# Altium PCB TMS320F28379D_Interfaz.PcbDoc (part 1 of 2)
Units mil, origin at the board's own origin, x right, y up, seen from the top; angles counter-clockwise.
Board outline 8060.03 x 5960.03 mil, 2 copper layers (Top Layer, Bottom Layer); 359 components, 256 nets, 1304 pads, 0 vias.
Unrouted connection lines stored in the file: 888.
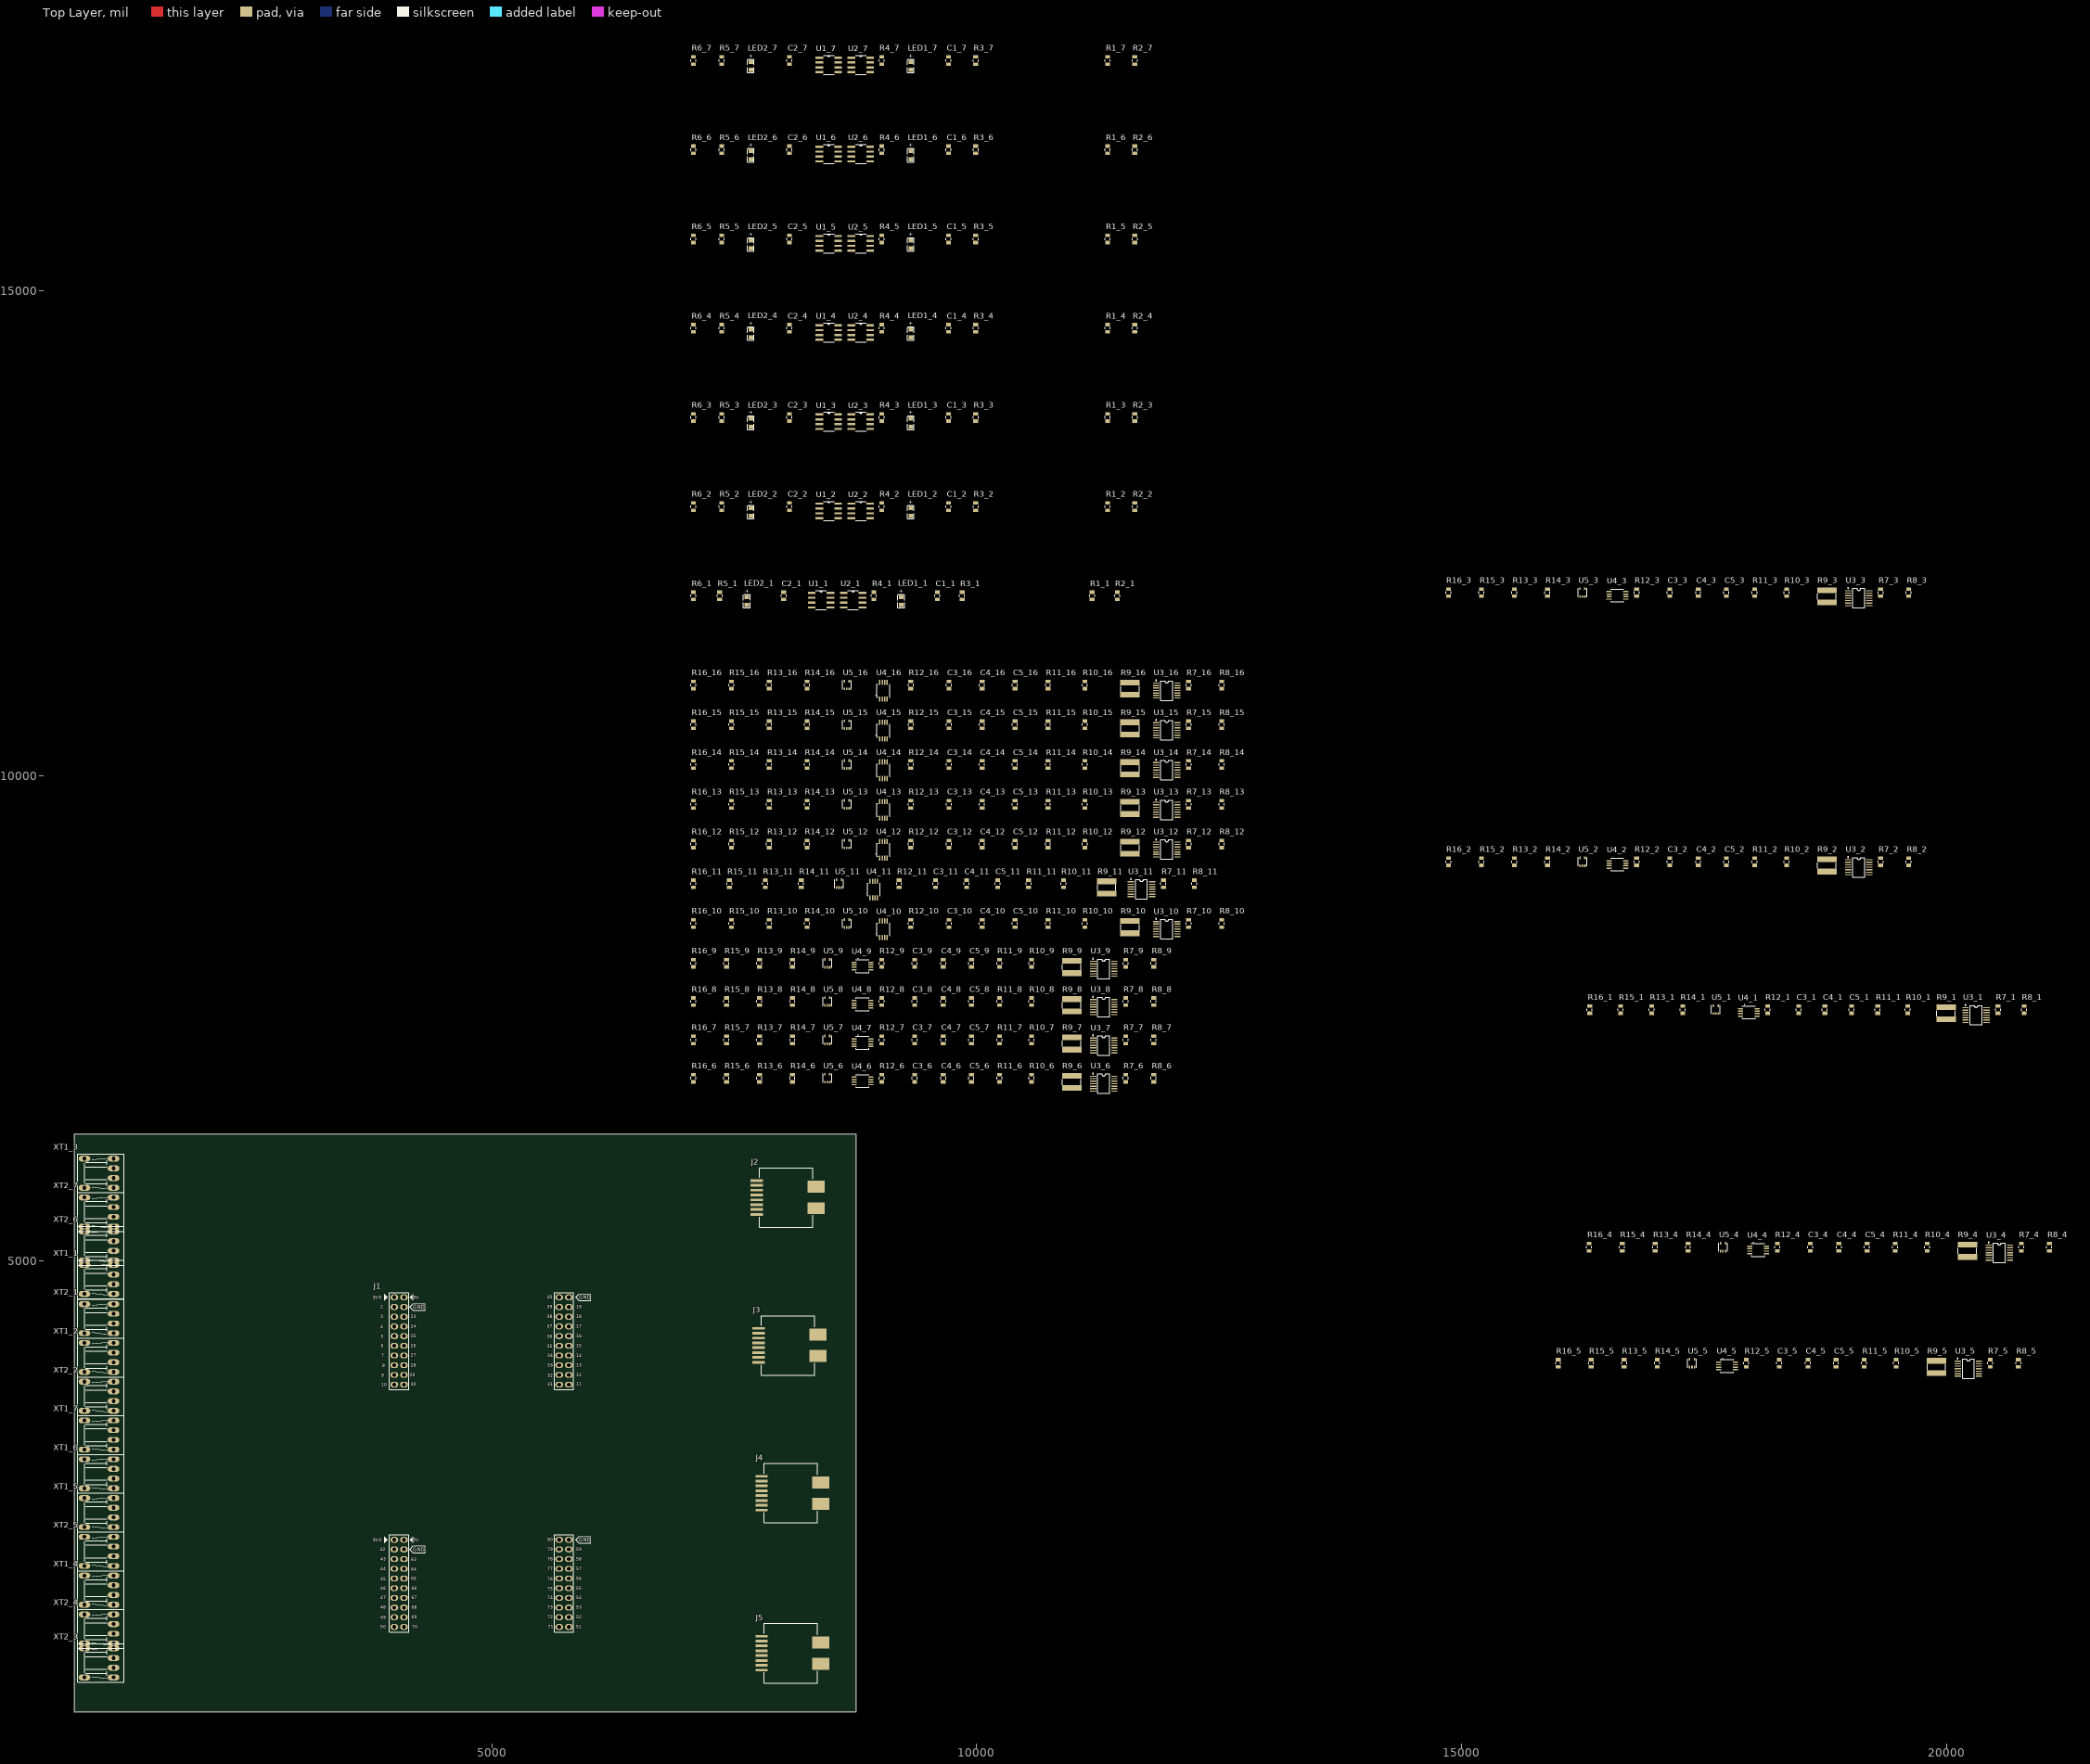
[diagram p0: Top Layer view]
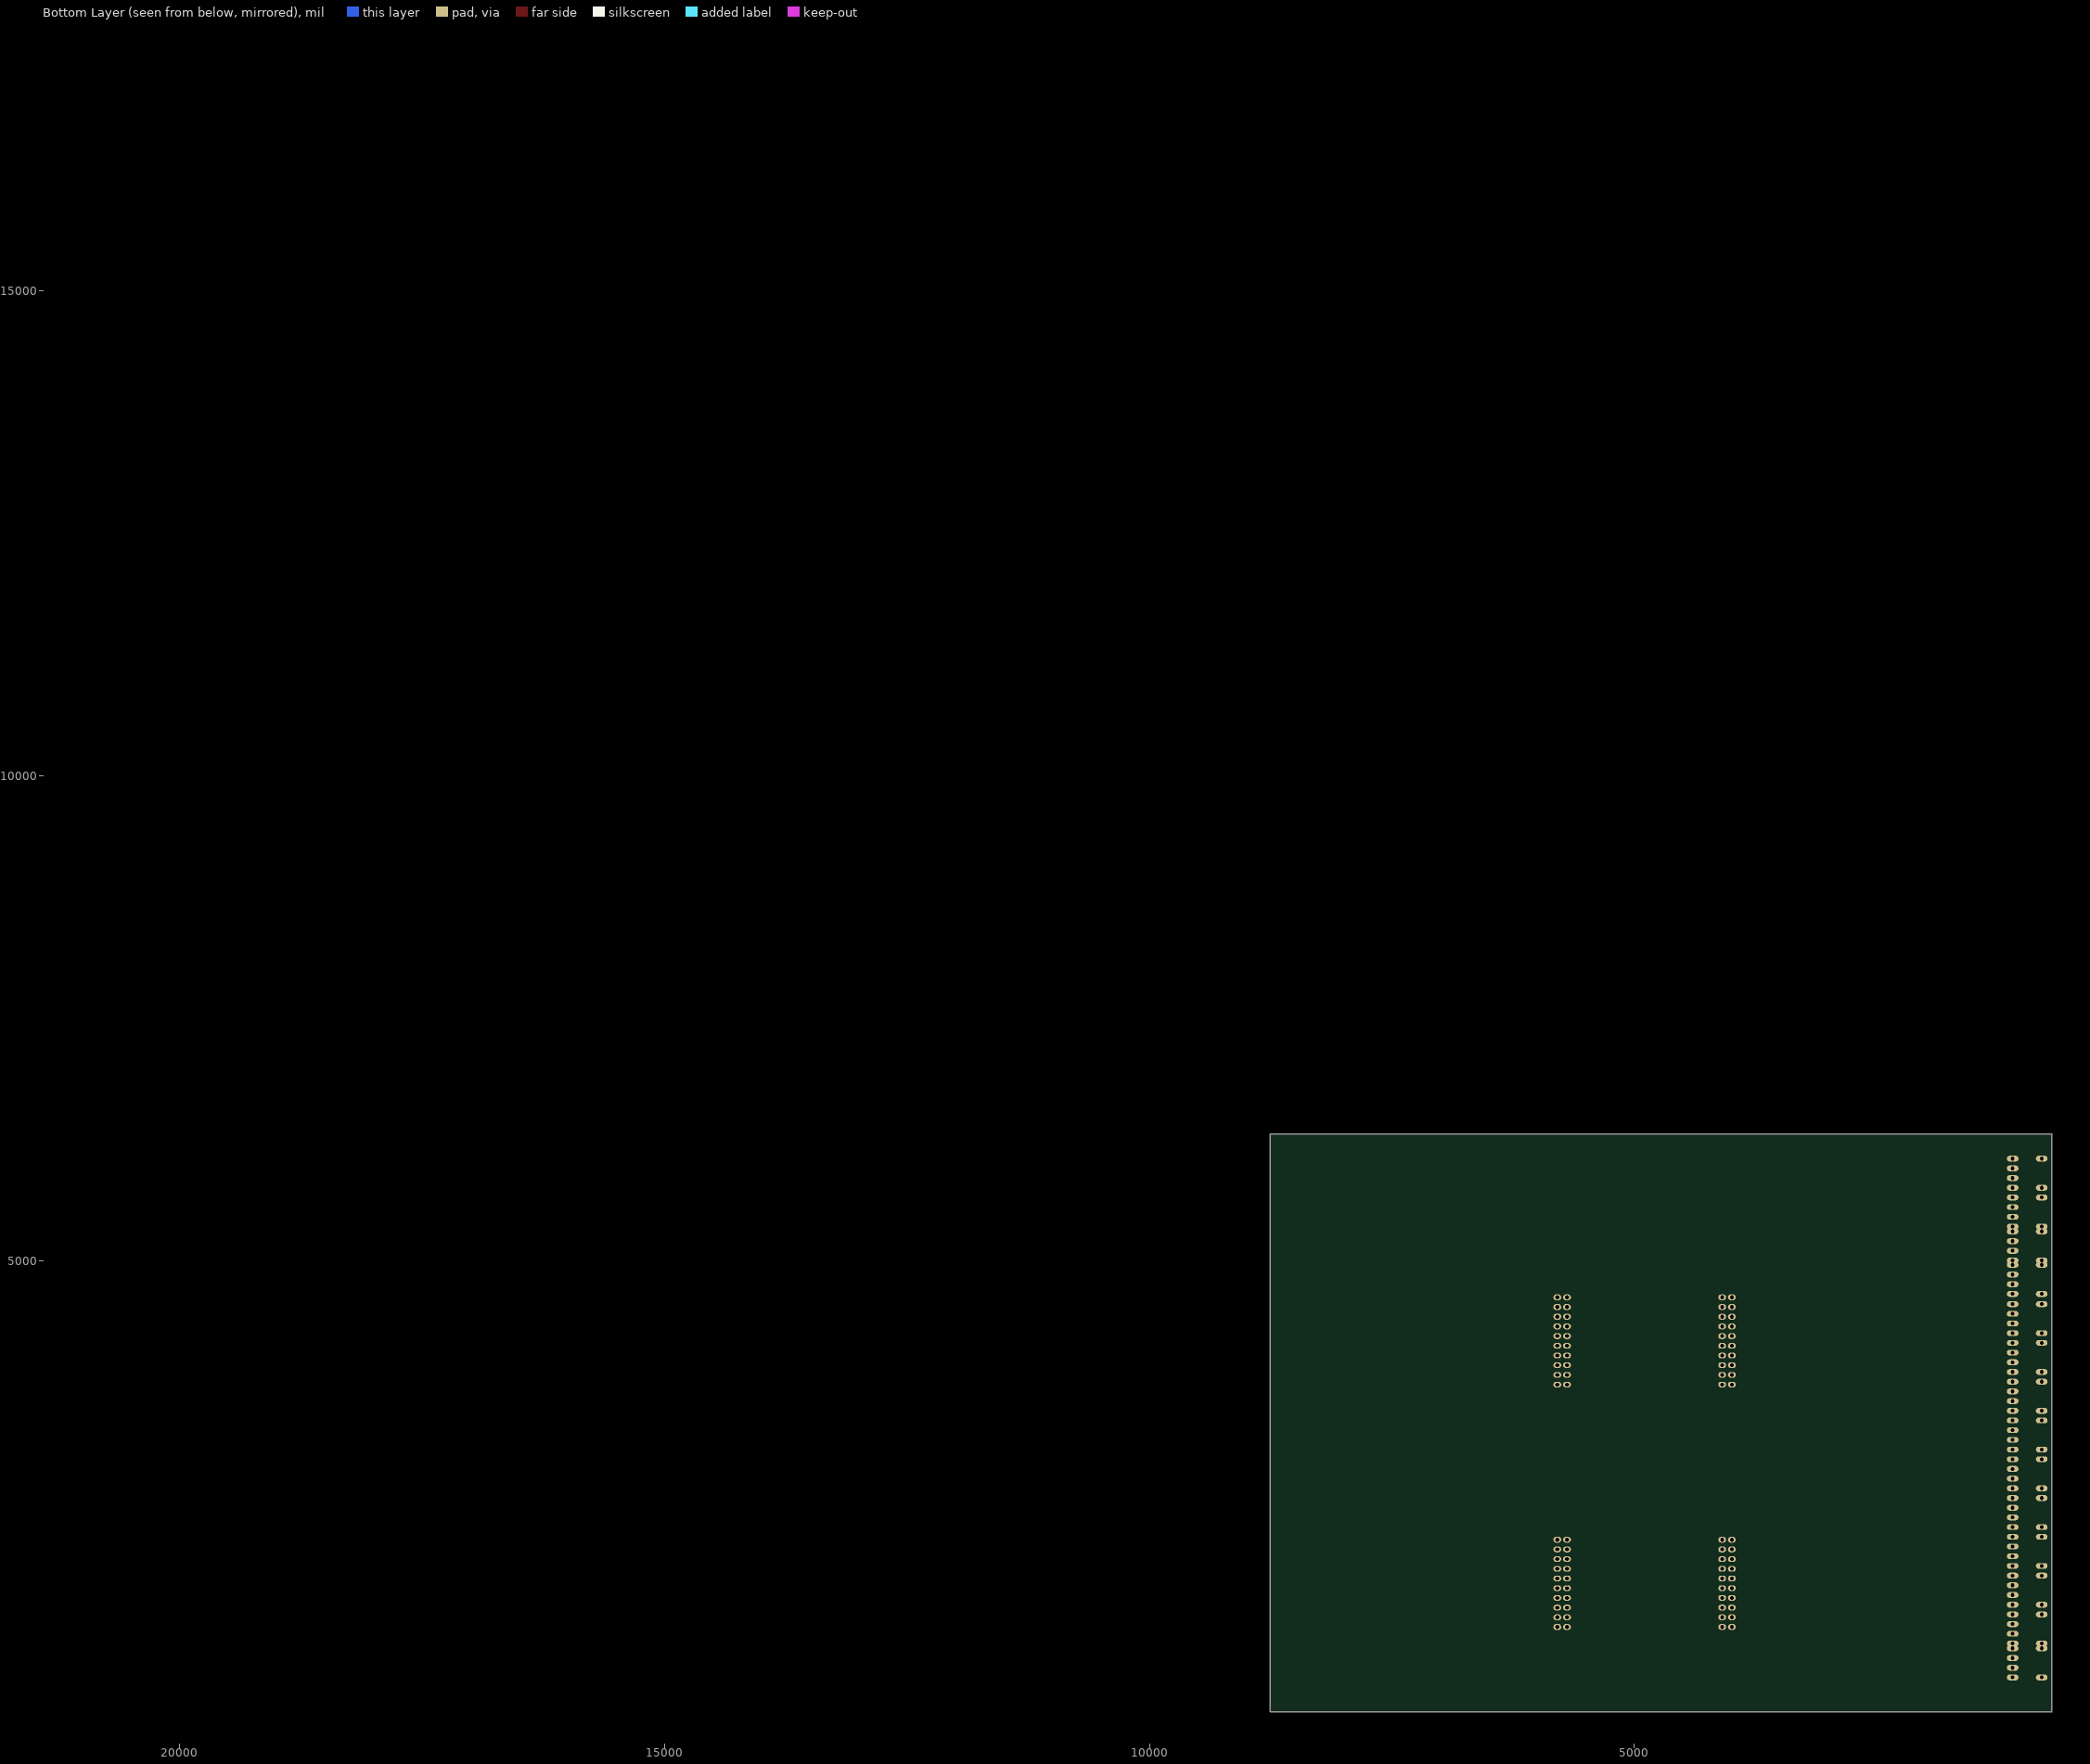
[diagram p1: Bottom Layer view, seen from below]

## Layer stack, top to bottom
Top Solder: solder mask 0.4, Solder Resist, Dk 3.5
Top Layer: signal copper 1.4
Dielectric 1: dielectric 12.6, FR-4, Dk 4.8
Bottom Layer: signal copper 1.4
Bottom Solder: solder mask 0.4, Solder Resist, Dk 3.5

## Board outline
694.99,350 ccw(c700,350) 700,344.99 8750,344.99 ccw(c8750,350) 8755.01,350 8755.01,6300 ccw(c8750,6300) 8750,6305.02 700,6305.02 ccw(c700,6300) 694.99,6300

## Design rules (kind name [scope] priority, off if disabled: settings)
Clearance [All] p1: gap=10 ignorepadtopadclearanceinfootprint=FALSE except(0: Arc-Hole Track-Hole SMDPad-Hole THPad-Hole Via-Hole Fill-Hole Poly-Hole Region-Hole Text-Hole)
PolygonConnect [All] p1: connectstyle=Relief reliefconductorwidth=10 reliefentries=4 polygonreliefangle="90 Angle" airgapwidth=10
RoomDefinition TMS320F28379D_PWM7 [InComponentClass('TMS320F28379D_PWM7')] p1: confinementstyle=ConfineIn formatcopy=TRUE lockcomponents=FALSE outline 7045,16680 11850,16680 11850,17550 7045,17550
RoomDefinition TMS320F28379D_PWM6 [InComponentClass('TMS320F28379D_PWM6')] p2: confinementstyle=ConfineIn formatcopy=TRUE lockcomponents=FALSE outline 7045,15760 11850,15760 11850,16630 7045,16630
RoomDefinition TMS320F28379D_PWM5 [InComponentClass('TMS320F28379D_PWM5')] p3: confinementstyle=ConfineIn formatcopy=TRUE lockcomponents=FALSE outline 7045,14840 11850,14840 11850,15710 7045,15710
RoomDefinition TMS320F28379D_PWM4 [InComponentClass('TMS320F28379D_PWM4')] p4: confinementstyle=ConfineIn formatcopy=TRUE lockcomponents=FALSE outline 7045,13920 11850,13920 11850,14790 7045,14790
RoomDefinition TMS320F28379D_PWM3 [InComponentClass('TMS320F28379D_PWM3')] p5: confinementstyle=ConfineIn formatcopy=TRUE lockcomponents=FALSE outline 7045,13000 11850,13000 11850,13870 7045,13870
RoomDefinition TMS320F28379D_PWM2 [InComponentClass('TMS320F28379D_PWM2')] p6: confinementstyle=ConfineIn formatcopy=TRUE lockcomponents=FALSE outline 7045,12080 11850,12080 11850,12950 7045,12950
RoomDefinition TMS320F28379D_PWM1 [InComponentClass('TMS320F28379D_PWM1')] p7: confinementstyle=ConfineIn formatcopy=TRUE lockcomponents=FALSE outline 7045,11160 11650,11160 11650,12030 7045,12030
RoomDefinition TMS320F28379D_ADC16 [InComponentClass('TMS320F28379D_ADC16')] p8: confinementstyle=ConfineIn formatcopy=TRUE lockcomponents=FALSE outline 7045,10750 12795,10750 12795,11110 7045,11110
RoomDefinition TMS320F28379D_ADC15 [InComponentClass('TMS320F28379D_ADC15')] p9: confinementstyle=ConfineIn formatcopy=TRUE lockcomponents=FALSE outline 7045,10340 12795,10340 12795,10700 7045,10700
RoomDefinition TMS320F28379D_ADC14 [InComponentClass('TMS320F28379D_ADC14')] p10: confinementstyle=ConfineIn formatcopy=TRUE lockcomponents=FALSE outline 7045,9930 12795,9930 12795,10290 7045,10290
RoomDefinition TMS320F28379D_ADC13 [InComponentClass('TMS320F28379D_ADC13')] p11: confinementstyle=ConfineIn formatcopy=TRUE lockcomponents=FALSE outline 7045,9520 12795,9520 12795,9880 7045,9880
RoomDefinition TMS320F28379D_ADC12 [InComponentClass('TMS320F28379D_ADC12')] p12: confinementstyle=ConfineIn formatcopy=TRUE lockcomponents=FALSE outline 7045,9110 12795,9110 12795,9470 7045,9470
RoomDefinition TMS320F28379D_ADC11 [InComponentClass('TMS320F28379D_ADC11')] p13: confinementstyle=ConfineIn formatcopy=TRUE lockcomponents=FALSE outline 7045,8700 12495,8700 12495,9060 7045,9060
RoomDefinition TMS320F28379D_ADC10 [InComponentClass('TMS320F28379D_ADC10')] p14: confinementstyle=ConfineIn formatcopy=TRUE lockcomponents=FALSE outline 7045,8290 12795,8290 12795,8650 7045,8650
RoomDefinition TMS320F28379D_ADC9 [InComponentClass('TMS320F28379D_ADC9')] p15: confinementstyle=ConfineIn formatcopy=TRUE lockcomponents=FALSE outline 7045,7895 12045,7895 12045,8240 7045,8240
RoomDefinition TMS320F28379D_ADC8 [InComponentClass('TMS320F28379D_ADC8')] p16: confinementstyle=ConfineIn formatcopy=TRUE lockcomponents=FALSE outline 7045,7500 12045,7500 12045,7845 7045,7845
RoomDefinition TMS320F28379D_ADC7 [InComponentClass('TMS320F28379D_ADC7')] p17: confinementstyle=ConfineIn formatcopy=TRUE lockcomponents=FALSE outline 7045,7105 12045,7105 12045,7450 7045,7450
RoomDefinition TMS320F28379D_ADC6 [InComponentClass('TMS320F28379D_ADC6')] p18: confinementstyle=ConfineIn formatcopy=TRUE lockcomponents=FALSE outline 7045,6710 12045,6710 12045,7055 7045,7055
RoomDefinition TMS320F28379D_ADC5 [InComponentClass('TMS320F28379D_ADC5')] p19: confinementstyle=ConfineIn formatcopy=TRUE lockcomponents=FALSE outline 15960.59,3770.35 20960.59,3770.35 20960.59,4115.35 15960.59,4115.35
RoomDefinition TMS320F28379D_ADC4 [InComponentClass('TMS320F28379D_ADC4')] p20: confinementstyle=ConfineIn formatcopy=TRUE lockcomponents=FALSE outline 16280,4967.4 21280,4967.4 21280,5312.4 16280,5312.4
RoomDefinition TMS320F28379D_ADC3 [InComponentClass('TMS320F28379D_ADC3')] p21: confinementstyle=ConfineIn formatcopy=TRUE lockcomponents=FALSE outline 14830,11717.4 19830,11717.4 19830,12062.4 14830,12062.4
RoomDefinition TMS320F28379D_ADC2 [InComponentClass('TMS320F28379D_ADC2')] p22: confinementstyle=ConfineIn formatcopy=TRUE lockcomponents=FALSE outline 14830,8942.6 19830,8942.6 19830,9287.6 14830,9287.6
RoomDefinition TMS320F28379D_ADC1 [InComponentClass('TMS320F28379D_ADC1')] p23: confinementstyle=ConfineIn formatcopy=TRUE lockcomponents=FALSE outline 16285,7417.4 21000,7417.4 21000,7762.4 16285,7762.4
RoutingVias [All] p1: holewidth=28 width=50 viastyle="Through Hole" minholewidth=28 minwidth=50 maxholewidth=28 maxwidth=50
SolderMaskExpansion [All] p1: expansion=4
Width [All] p1: maxlimit=10 minlimit=10 preferedwidth=10
30 further rules are at their usual default settings.

## Classes and differential pairs
channel class TMS320F28379D_PWM: TMS320F28379D_PWM1 TMS320F28379D_PWM2 TMS320F28379D_PWM3 TMS320F28379D_PWM4 TMS320F28379D_PWM5 TMS320F28379D_PWM6 TMS320F28379D_PWM7
channel class TMS320F28379D_ADC: TMS320F28379D_ADC1 TMS320F28379D_ADC2 TMS320F28379D_ADC3 TMS320F28379D_ADC4 TMS320F28379D_ADC5 TMS320F28379D_ADC6 TMS320F28379D_ADC7 TMS320F28379D_ADC8 TMS320F28379D_ADC9 TMS320F28379D_ADC10 TMS320F28379D_ADC11 TMS320F28379D_ADC12 TMS320F28379D_ADC13 TMS320F28379D_ADC14 TMS320F28379D_ADC15 TMS320F28379D_ADC16
component class TMS320F28379D_PWM7: C1_7 C2_7 LED1_7 LED2_7 R1_7 R2_7 R3_7 R4_7 R5_7 R6_7 U1_7 U2_7 XT1_7 XT2_7
component class TMS320F28379D_PWM6: C1_6 C2_6 LED1_6 LED2_6 R1_6 R2_6 R3_6 R4_6 R5_6 R6_6 U1_6 U2_6 XT1_6 XT2_6
component class TMS320F28379D_PWM5: C1_5 C2_5 LED1_5 LED2_5 R1_5 R2_5 R3_5 R4_5 R5_5 R6_5 U1_5 U2_5 XT1_5 XT2_5
component class TMS320F28379D_PWM4: C1_4 C2_4 LED1_4 LED2_4 R1_4 R2_4 R3_4 R4_4 R5_4 R6_4 U1_4 U2_4 XT1_4 XT2_4
component class TMS320F28379D_PWM3: C1_3 C2_3 LED1_3 LED2_3 R1_3 R2_3 R3_3 R4_3 R5_3 R6_3 U1_3 U2_3 XT1_3 XT2_3
component class TMS320F28379D_PWM2: C1_2 C2_2 LED1_2 LED2_2 R1_2 R2_2 R3_2 R4_2 R5_2 R6_2 U1_2 U2_2 XT1_2 XT2_2
component class TMS320F28379D_PWM1: C1_1 C2_1 LED1_1 LED2_1 R1_1 R2_1 R3_1 R4_1 R5_1 R6_1 U1_1 U2_1 XT1_1 XT2_1
component class TMS320F28379D_Interfaz: J2 J3 J4 J5
component class TMS320F28379D_ADC16: C3_16 C4_16 C5_16 R7_16 R8_16 R9_16 R10_16 R11_16 R12_16 R13_16 R14_16 R15_16 R16_16 U3_16 U4_16 U5_16
component class TMS320F28379D_ADC15: C3_15 C4_15 C5_15 R7_15 R8_15 R9_15 R10_15 R11_15 R12_15 R13_15 R14_15 R15_15 R16_15 U3_15 U4_15 U5_15
component class TMS320F28379D_ADC14: C3_14 C4_14 C5_14 R7_14 R8_14 R9_14 R10_14 R11_14 R12_14 R13_14 R14_14 R15_14 R16_14 U3_14 U4_14 U5_14
component class TMS320F28379D_ADC13: C3_13 C4_13 C5_13 R7_13 R8_13 R9_13 R10_13 R11_13 R12_13 R13_13 R14_13 R15_13 R16_13 U3_13 U4_13 U5_13
component class TMS320F28379D_ADC12: C3_12 C4_12 C5_12 R7_12 R8_12 R9_12 R10_12 R11_12 R12_12 R13_12 R14_12 R15_12 R16_12 U3_12 U4_12 U5_12
component class TMS320F28379D_ADC11: C3_11 C4_11 C5_11 R7_11 R8_11 R9_11 R10_11 R11_11 R12_11 R13_11 R14_11 R15_11 R16_11 U3_11 U4_11 U5_11
component class TMS320F28379D_ADC10: C3_10 C4_10 C5_10 R7_10 R8_10 R9_10 R10_10 R11_10 R12_10 R13_10 R14_10 R15_10 R16_10 U3_10 U4_10 U5_10
component class TMS320F28379D_ADC9: C3_9 C4_9 C5_9 R7_9 R8_9 R9_9 R10_9 R11_9 R12_9 R13_9 R14_9 R15_9 R16_9 U3_9 U4_9 U5_9
component class TMS320F28379D_ADC8: C3_8 C4_8 C5_8 R7_8 R8_8 R9_8 R10_8 R11_8 R12_8 R13_8 R14_8 R15_8 R16_8 U3_8 U4_8 U5_8
component class TMS320F28379D_ADC7: C3_7 C4_7 C5_7 R7_7 R8_7 R9_7 R10_7 R11_7 R12_7 R13_7 R14_7 R15_7 R16_7 U3_7 U4_7 U5_7
component class TMS320F28379D_ADC6: C3_6 C4_6 C5_6 R7_6 R8_6 R9_6 R10_6 R11_6 R12_6 R13_6 R14_6 R15_6 R16_6 U3_6 U4_6 U5_6
component class TMS320F28379D_ADC5: C3_5 C4_5 C5_5 R7_5 R8_5 R9_5 R10_5 R11_5 R12_5 R13_5 R14_5 R15_5 R16_5 U3_5 U4_5 U5_5
component class TMS320F28379D_ADC4: C3_4 C4_4 C5_4 R7_4 R8_4 R9_4 R10_4 R11_4 R12_4 R13_4 R14_4 R15_4 R16_4 U3_4 U4_4 U5_4
component class TMS320F28379D_ADC3: C3_3 C4_3 C5_3 R7_3 R8_3 R9_3 R10_3 R11_3 R12_3 R13_3 R14_3 R15_3 R16_3 U3_3 U4_3 U5_3
component class TMS320F28379D_ADC2: C3_2 C4_2 C5_2 R7_2 R8_2 R9_2 R10_2 R11_2 R12_2 R13_2 R14_2 R15_2 R16_2 U3_2 U4_2 U5_2
component class TMS320F28379D_ADC1: C3_1 C4_1 C5_1 R7_1 R8_1 R9_1 R10_1 R11_1 R12_1 R13_1 R14_1 R15_1 R16_1 U3_1 U4_1 U5_1

## Components (designator, comment, footprint, x,y, rotation, side; value= is the part's Value field where it differs from the comment)
C1_1 "Cap cerámico" "CAP 0805" 9595,11855 r90 top value=100nF (schematic designator C1)
C1_2 "Cap cerámico" "CAP 0805" 9710,12775 r90 top value=100nF (schematic designator C1)
C1_3 "Cap cerámico" "CAP 0805" 9710,13695 r90 top value=100nF (schematic designator C1)
C1_4 "Cap cerámico" "CAP 0805" 9710,14615 r90 top value=100nF (schematic designator C1)
C1_5 "Cap cerámico" "CAP 0805" 9710,15535 r90 top value=100nF (schematic designator C1)
C1_6 "Cap cerámico" "CAP 0805" 9710,16455 r90 top value=100nF (schematic designator C1)
C1_7 "Cap cerámico" "CAP 0805" 9710,17375 r90 top value=100nF (schematic designator C1)
C2_1 "Cap cerámico" "CAP 0805" 8010,11855 r90 top value=100nF (schematic designator C2)
C2_2 "Cap cerámico" "CAP 0805" 8070,12775 r90 top value=100nF (schematic designator C2)
C2_3 "Cap cerámico" "CAP 0805" 8070,13695 r90 top value=100nF (schematic designator C2)
C2_4 "Cap cerámico" "CAP 0805" 8070,14615 r90 top value=100nF (schematic designator C2)
C2_5 "Cap cerámico" "CAP 0805" 8070,15535 r90 top value=100nF (schematic designator C2)
C2_6 "Cap cerámico" "CAP 0805" 8070,16455 r90 top value=100nF (schematic designator C2)
C2_7 "Cap cerámico" "CAP 0805" 8070,17375 r90 top value=100nF (schematic designator C2)
C3_1 "Cap cerámico" "CAP 0805" 18475,7587.4 r90 top value=100nF (schematic designator C3)
C3_2 "Cap cerámico" "CAP 0805" 17145,9112.6 r90 top value=100nF (schematic designator C3)
C3_3 "Cap cerámico" "CAP 0805" 17145,11887.4 r90 top value=100nF (schematic designator C3)
C3_4 "Cap cerámico" "CAP 0805" 18595,5137.4 r90 top value=100nF (schematic designator C3)
C3_5 "Cap cerámico" "CAP 0805" 18275.59,3940.35 r90 top value=100nF (schematic designator C3)
C3_6 "Cap cerámico" "CAP 0805" 9360,6880 r90 top value=100nF (schematic designator C3)
C3_7 "Cap cerámico" "CAP 0805" 9360,7275 r90 top value=100nF (schematic designator C3)
C3_8 "Cap cerámico" "CAP 0805" 9360,7670 r90 top value=100nF (schematic designator C3)
C3_9 "Cap cerámico" "CAP 0805" 9360,8065 r90 top value=100nF (schematic designator C3)
C3_10 "Cap cerámico" "CAP 0805" 9715,8475 r90 top value=100nF (schematic designator C3)
C3_11 "Cap cerámico" "CAP 0805" 9575,8885 r90 top value=100nF (schematic designator C3)
C3_12 "Cap cerámico" "CAP 0805" 9715,9295 r90 top value=100nF (schematic designator C3)
C3_13 "Cap cerámico" "CAP 0805" 9715,9705 r90 top value=100nF (schematic designator C3)
C3_14 "Cap cerámico" "CAP 0805" 9715,10115 r90 top value=100nF (schematic designator C3)
C3_15 "Cap cerámico" "CAP 0805" 9715,10525 r90 top value=100nF (schematic designator C3)
C3_16 "Cap cerámico" "CAP 0805" 9715,10935 r90 top value=100nF (schematic designator C3)
C4_1 "Cap cerámico" "CAP 0805" 18745,7587.4 r90 top value=100nF (schematic designator C4)
C4_2 "Cap cerámico" "CAP 0805" 17440,9112.6 r90 top value=100nF (schematic designator C4)
C4_3 "Cap cerámico" "CAP 0805" 17440,11887.4 r90 top value=100nF (schematic designator C4)
C4_4 "Cap cerámico" "CAP 0805" 18890,5137.4 r90 top value=100nF (schematic designator C4)
C4_5 "Cap cerámico" "CAP 0805" 18570.59,3940.35 r90 top value=100nF (schematic designator C4)
C4_6 "Cap cerámico" "CAP 0805" 9655,6880 r90 top value=100nF (schematic designator C4)
C4_7 "Cap cerámico" "CAP 0805" 9655,7275 r90 top value=100nF (schematic designator C4)
C4_8 "Cap cerámico" "CAP 0805" 9655,7670 r90 top value=100nF (schematic designator C4)
C4_9 "Cap cerámico" "CAP 0805" 9655,8065 r90 top value=100nF (schematic designator C4)
C4_10 "Cap cerámico" "CAP 0805" 10055,8475 r90 top value=100nF (schematic designator C4)
C4_11 "Cap cerámico" "CAP 0805" 9895,8885 r90 top value=100nF (schematic designator C4)
C4_12 "Cap cerámico" "CAP 0805" 10055,9295 r90 top value=100nF (schematic designator C4)
C4_13 "Cap cerámico" "CAP 0805" 10055,9705 r90 top value=100nF (schematic designator C4)
C4_14 "Cap cerámico" "CAP 0805" 10055,10115 r90 top value=100nF (schematic designator C4)
C4_15 "Cap cerámico" "CAP 0805" 10055,10525 r90 top value=100nF (schematic designator C4)
C4_16 "Cap cerámico" "CAP 0805" 10055,10935 r90 top value=100nF (schematic designator C4)
C5_1 "Cap cerámico" "CAP 0805" 19020,7587.4 r90 top value=100nF (schematic designator C5)
C5_2 "Cap cerámico" "CAP 0805" 17730,9112.6 r90 top value=100nF (schematic designator C5)